# KiCad board servo.kicad_pcb
title: Servo Drive; date: 2020-03-23; rev: 0.2; company: nanocut; note: DCI; note: Pablo Slavkin
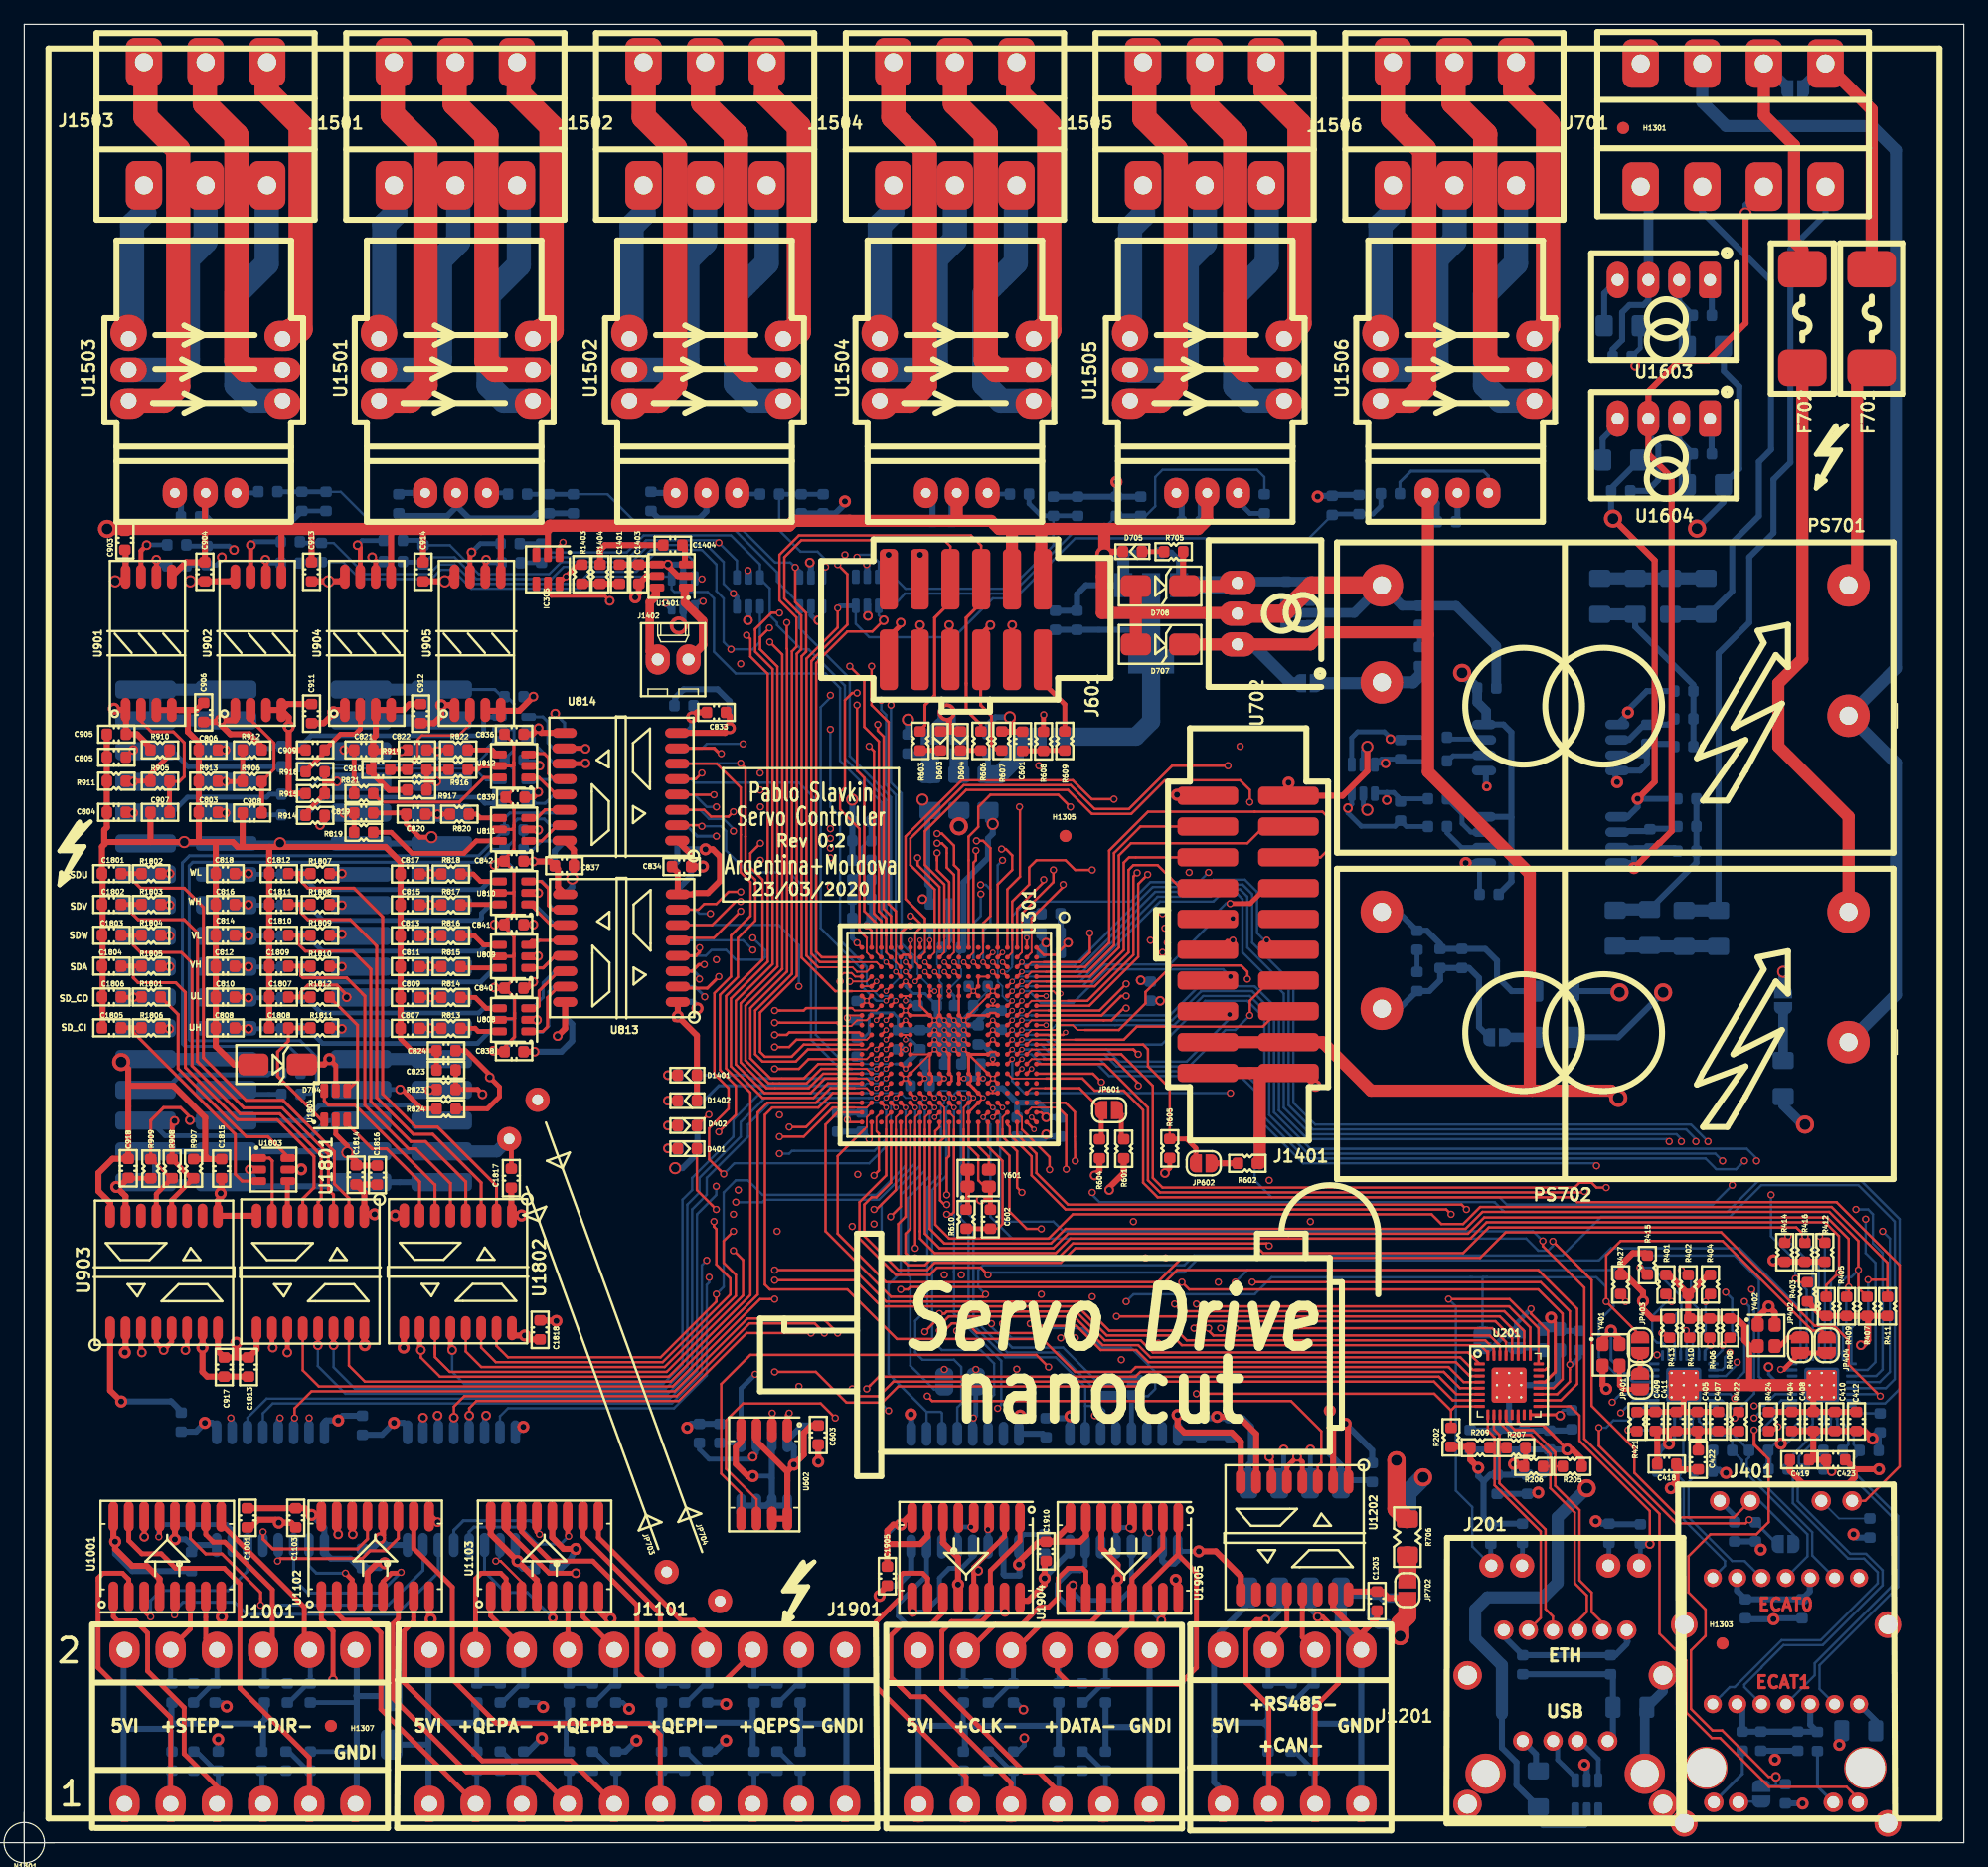
[diagram p0: board, top side]
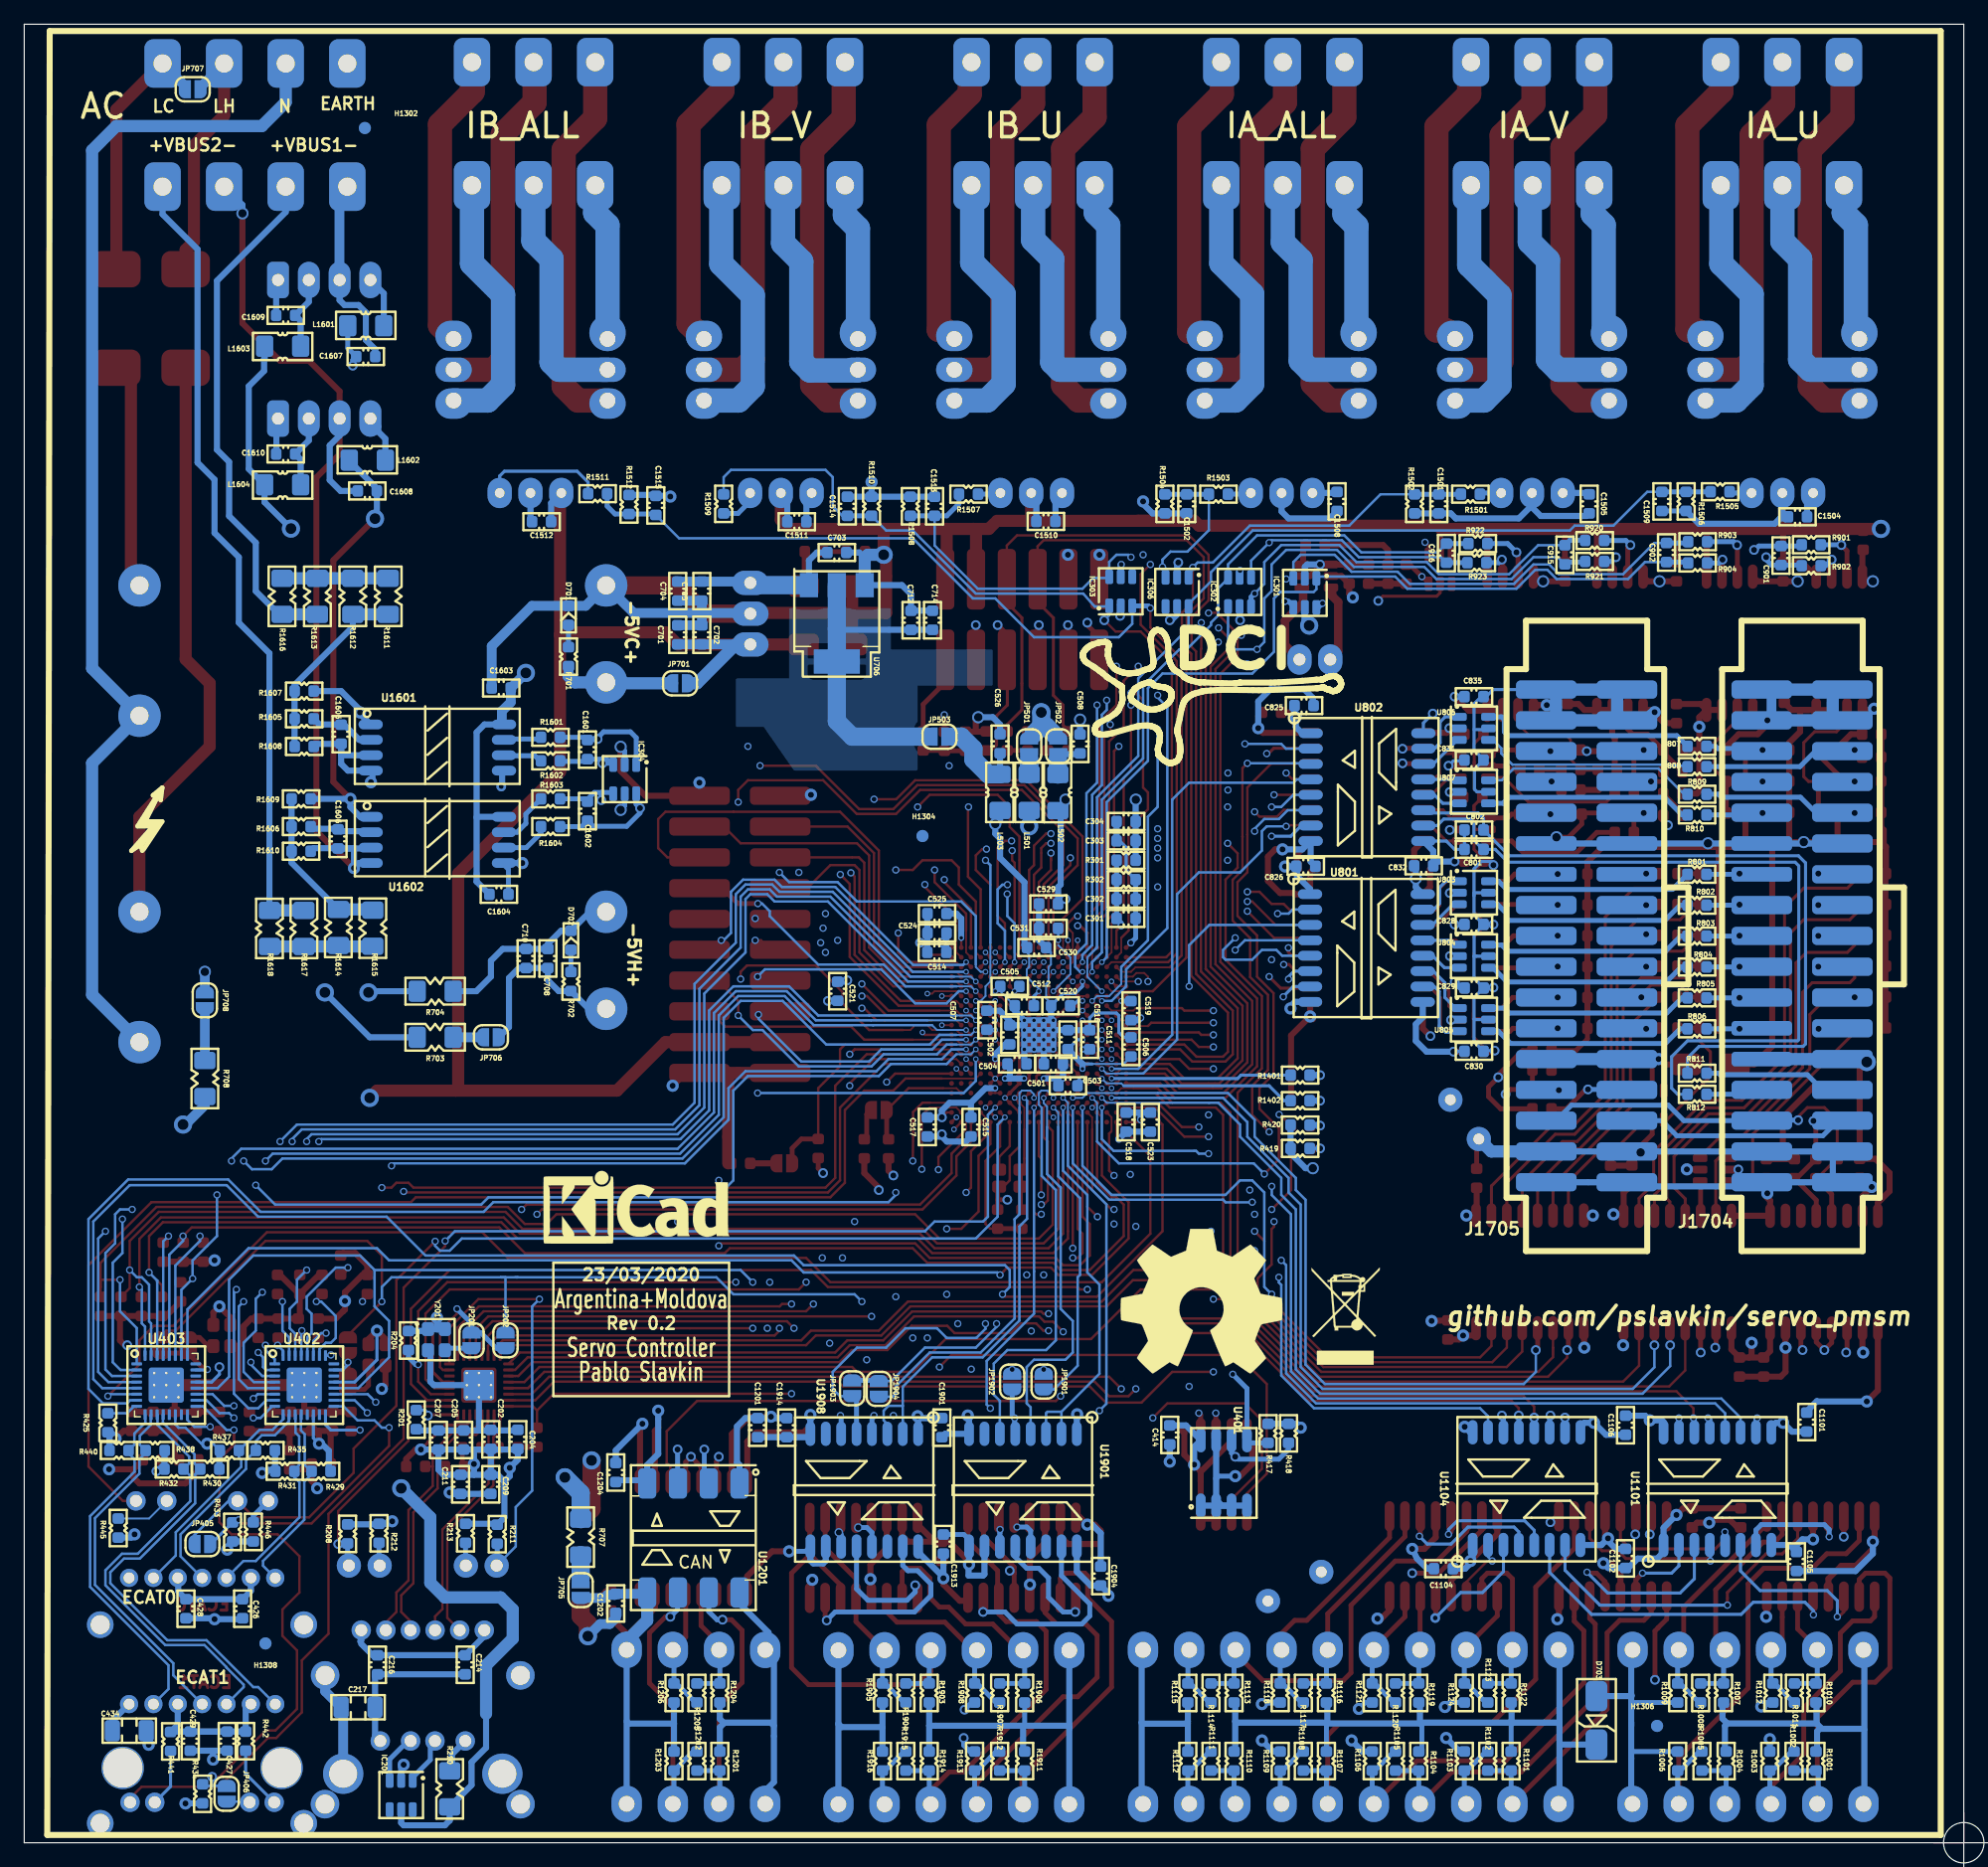
[diagram p1: board, bottom side, seen from below]

Outline 160 x 150 mm; copper layers: Top, GND.Cu (plane), In2.Cu, In3.Cu, Vcc.Cu (plane), Bottom. Coordinates in mm from the lower left corner of the outline.
Outline path: 0,150 160,150 160,0 0,0 0,150

## Placement (name value [footprint] x y rotation side)
C202  0.1uF  [C_0603_1608Metric]  121.51 33.27 270 bottom
C204  10uF  [C_0603_1608Metric]  119.28 33.27 90 bottom
C205  10uF  [C_0603_1608Metric]  123.75 33.22 90 bottom
C207  0.1uF  [C_0603_1608Metric]  125.83 33.22 90 bottom
C209  0.1uF  [C_0603_1608Metric]  121.51 29.57 270 bottom
C211  0.1uF  [C_0603_1608Metric]  124 29.57 270 bottom
C214  1uF  [C_0603_1608Metric]  123.62 14.68 90 bottom
C216  1uF  [C_0603_1608Metric]  130.86 14.68 90 bottom
C217  4n7  [C_1206_3216Metric]  132.46 11.18 0 bottom
C301  10uF  [C_0603_1608Metric]  69.1 76.24 180 bottom
C302  0.1uF  [C_0603_1608Metric]  69.1 77.84 180 bottom
C303  10uF  [C_0603_1608Metric]  69.1 82.64 0 bottom
C304  0.1uF  [C_0603_1608Metric]  69.1 84.24 0 bottom
C404  0.1uF  [C_0603_1608Metric]  145.81 34.76 270 top
C405  0.1uF  [C_0603_1608Metric]  138.03 34.76 90 top
C407  10uF  [C_0603_1608Metric]  139.76 34.76 90 top
C408  10uF  [C_0603_1608Metric]  147.59 34.76 90 top
C409  10uF  [C_0603_1608Metric]  134.56 34.76 90 top
C410  10uF  [C_0603_1608Metric]  149.36 34.76 90 top
C411  0.1uF  [C_0603_1608Metric]  136.29 34.76 90 top
C412  0.1uF  [C_0603_1608Metric]  151.14 34.76 90 top
C414  0.1uF  [C_0603_1608Metric]  65.5 33.64 270 bottom
C418  0.1uF  [C_0603_1608Metric]  135.5 31.24 0 top
C419  0.1uF  [C_0603_1608Metric]  146.44 31.58 180 top
C422  0.1uF  [C_0603_1608Metric]  138.1 31.58 270 top
C423  0.1uF  [C_0603_1608Metric]  149.43 31.58 0 top
C426  1uF  [C_0603_1608Metric]  141.99 19.3 90 bottom
C427  1uF  [C_0603_1608Metric]  143.26 8.38 90 bottom
C428  1uF  [C_0603_1608Metric]  146.66 19.3 90 bottom
C429  1uF  [C_0603_1608Metric]  146.3 8.38 90 bottom
C434  4n7  [C_1206_3216Metric]  151.33 9.25 0 bottom
C501  0.1uF  [C_0603_1608Metric]  75.1 64.24 0 bottom
C502  0.1uF  [C_0603_1608Metric]  78.7 66.64 90 bottom
C503  0.1uF  [C_0603_1608Metric]  73.9 62.44 180 bottom
C504  0.1uF  [C_0603_1608Metric]  78.1 64.24 180 bottom
C505  0.1uF  [C_0603_1608Metric]  78.7 70.64 0 bottom
C506  0.1uF  [C_0603_1608Metric]  68.7 65.64 90 bottom
C507  0.1uF  [C_0603_1608Metric]  80.59 67.85 90 bottom
C508  2.2uF  [C_0603_1608Metric]  72.9 90.64 270 bottom
C511  0.1uF  [C_0603_1608Metric]  72.1 66.24 90 bottom
C512  0.1uF  [C_0603_1608Metric]  77.5 69.04 0 bottom
C514  0.1uF  [C_0603_1608Metric]  84.71 73.44 0 bottom
C515  0.1uF  [C_0603_1608Metric]  81.9 59.04 270 bottom
C516  0.1uF  [C_0603_1608Metric]  73.9 66.24 90 bottom
C517  0.1uF  [C_0603_1608Metric]  85.5 59.04 270 bottom
C518  0.1uF  [C_0603_1608Metric]  69.1 59.44 90 bottom
C519  0.1uF  [C_0603_1608Metric]  68.7 68.64 90 bottom
C520  0.1uF  [C_0603_1608Metric]  74.5 69.04 0 bottom
C521  0.1uF  [C_0603_1608Metric]  92.9 70.24 270 bottom
C523  0.1uF  [C_0603_1608Metric]  67.1 59.44 90 bottom
C524  0.1uF  [C_0603_1608Metric]  84.7 75.04 0 bottom
C525  0.1uF  [C_0603_1608Metric]  84.7 76.64 0 bottom
C526  10uF  [C_0603_1608Metric]  79.5 90.65 270 bottom
C529  2.2uF  [C_0603_1608Metric]  75.5 77.44 180 bottom
C530  10uF  [C_0603_1608Metric]  76.49 73.84 180 bottom
C531  2.2uF  [C_0603_1608Metric]  75.5 75.43 180 bottom
C601  0.1uF  [C_0603_1608Metric]  82.36 90.86 270 top
C602  0.1uF  [C_0603_1608Metric]  79.7 51.44 90 top
C603  0.1uF  [C_0603_1608Metric]  65.5 33.64 90 top
C701  22uF  [C_0603_1608Metric]  106.09 99.64 270 bottom
C702  2.2uF  [C_0603_1608Metric]  104.1 99.64 270 bottom
C703  0.1uF  [C_0603_1608Metric]  92.96 106.43 0 bottom
C704  22uF  [C_0603_1608Metric]  106.09 103.24 90 bottom
C705  2.2uF  [C_0603_1608Metric]  104.1 103.24 90 bottom
C708  22uF  [C_0603_1608Metric]  116.8 72.94 270 bottom
C710  2.2uF  [C_0603_1608Metric]  118.6 72.94 270 bottom
C712  10uF  [C_0603_1608Metric]  86.85 100.84 270 bottom
C714  0.1uF  [C_0603_1608Metric]  85.07 100.84 270 bottom
C801  100pF  [C_0603_1608Metric]  40.4 81.94 180 bottom
C802  100pF  [C_0603_1608Metric]  40.4 83.54 180 bottom
C803  100pF  [C_0603_1608Metric]  15.19 84.99 0 top
C804  100pF  [C_0603_1608Metric]  7.6 84.99 0 top
C805  100pF  [C_0603_1608Metric]  7.6 89.54 0 top
C806  100pF  [C_0603_1608Metric]  15.19 90.14 0 top
C807  100pF  [C_0603_1608Metric]  31.83 67.18 0 top
C808  100pF  [C_0603_1608Metric]  16.59 67.21 0 top
C809  100pF  [C_0603_1608Metric]  31.83 69.72 0 top
C810  100pF  [C_0603_1608Metric]  16.59 69.75 0 top
C811  100pF  [C_0603_1608Metric]  31.83 72.27 0 top
C812  100pF  [C_0603_1608Metric]  16.59 72.3 0 top
C813  100pF  [C_0603_1608Metric]  31.83 74.81 0 top
C814  100pF  [C_0603_1608Metric]  16.59 74.85 0 top
C815  100pF  [C_0603_1608Metric]  31.83 77.36 0 top
C816  100pF  [C_0603_1608Metric]  16.59 77.39 0 top
C817  100pF  [C_0603_1608Metric]  31.83 79.91 0 top
C818  100pF  [C_0603_1608Metric]  16.59 79.94 0 top
C819  100pF  [C_0603_1608Metric]  28 84.94 180 top
C820  100pF  [C_0603_1608Metric]  32.3 84.84 0 top
C821  100pF  [C_0603_1608Metric]  28 90.14 180 top
C822  100pF  [C_0603_1608Metric]  32.4 90.14 0 top
C823  100pF  [C_0603_1608Metric]  34.8 63.74 0 top
C824  100pF  [C_0603_1608Metric]  34.8 65.34 0 top
C825  0.1uF  [C_0603_1608Metric]  54.42 93.8 180 bottom
C826  0.1uF  [C_0603_1608Metric]  54.28 80.54 180 bottom
C828  0.1uF  [C_0603_1608Metric]  40.41 75.75 0 bottom
C829  0.1uF  [C_0603_1608Metric]  40.39 70.51 0 bottom
C830  0.1uF  [C_0603_1608Metric]  40.41 65.28 0 bottom
C831  0.1uF  [C_0603_1608Metric]  40.41 89.3 0 bottom
C832  0.1uF  [C_0603_1608Metric]  44.55 80.58 180 bottom
C833  0.1uF  [C_0603_1608Metric]  57.1 93.24 0 top
C834  0.1uF  [C_0603_1608Metric]  54.23 80.52 180 top
C835  0.1uF  [C_0603_1608Metric]  40.41 94.54 0 bottom
C836  0.1uF  [C_0603_1608Metric]  40.41 91.44 0 top
C837  0.1uF  [C_0603_1608Metric]  44.55 80.59 180 top
C838  0.1uF  [C_0603_1608Metric]  40.41 65.25 0 top
C839  0.1uF  [C_0603_1608Metric]  40.5 86.24 0 top
C840  0.1uF  [C_0603_1608Metric]  40.41 70.49 0 top
C841  0.1uF  [C_0603_1608Metric]  40.41 75.73 0 top
C842  0.1uF  [C_0603_1608Metric]  40.41 80.96 0 top
C901  0.1uF  [C_0603_1608Metric]  15.07 106.18 90 bottom
C902  0.1uF  [C_0603_1608Metric]  24.52 106.43 90 bottom
C903  0.1uF  [C_0603_1608Metric]  8.3 107.44 270 top
C904  0.1uF  [C_0603_1608Metric]  14.9 104.84 270 top
C905  0.1uF  [C_0603_1608Metric]  7.6 91.44 0 top
C906  0.1uF  [C_0603_1608Metric]  14.8 93.24 270 top
C907  0.1uF  [C_0603_1608Metric]  11.2 84.99 0 top
C908  0.1uF  [C_0603_1608Metric]  18.8 84.94 0 top
C909  0.1uF  [C_0603_1608Metric]  24 90.14 0 top
C910  0.1uF  [C_0603_1608Metric]  29.4 88.54 0 top
C911  0.1uF  [C_0603_1608Metric]  23.7 93.14 270 top
C912  0.1uF  [C_0603_1608Metric]  32.7 93.14 270 top
C913  0.1uF  [C_0603_1608Metric]  23.7 104.84 270 top
C914  0.1uF  [C_0603_1608Metric]  32.9 104.84 270 top
C915  0.1uF  [C_0603_1608Metric]  32.9 106.24 90 bottom
C916  0.1uF  [C_0603_1608Metric]  42.68 106.38 90 bottom
C917  0.1uF  [C_0603_1608Metric]  16.5 39.24 270 top
C918  0.1uF  [C_0603_1608Metric]  8.59 55.63 90 top
C1001  0.1uF  [C_0603_1608Metric]  18.4 26.8 90 top
C1101  0.1uF  [C_0603_1608Metric]  12.95 34.7 90 bottom
C1102  0.1uF  [C_0603_1608Metric]  27.9 23.45 270 bottom
C1103  0.1uF  [C_0603_1608Metric]  22.4 26.8 90 top
C1104  0.1uF  [C_0603_1608Metric]  42.93 22.61 180 bottom
C1105  0.1uF  [C_0603_1608Metric]  13.8 23.2 270 bottom
C1106  0.1uF  [C_0603_1608Metric]  27.9 34.44 90 bottom
C1201  0.1uF  [C_0603_1608Metric]  99.5 34.24 90 bottom
C1202  0.1uF  [C_0603_1608Metric]  111.2 19.74 270 bottom
C1203  0.1uF  [C_0603_1608Metric]  111.6 19.94 90 top
C1204  0.1uF  [C_0603_1608Metric]  111.2 30.54 90 bottom
C1401  10nF  [C_0603_1608Metric]  49.1 104.64 270 top
C1403  47Uf  [C_0603_1608Metric]  50.7 104.64 90 top
C1404  10uF  [C_0603_1608Metric]  53.5 107.04 0 top
C1501  1nF  [C_0603_1608Metric]  43.3 110.44 90 bottom
C1502  1nF  [C_0603_1608Metric]  64.1 110.44 90 bottom
C1504  0.1uF  [C_0603_1608Metric]  13.72 109.37 180 bottom
C1505  0.1uF  [C_0603_1608Metric]  30.9 110.44 90 bottom
C1508  0.1uF  [C_0603_1608Metric]  51.7 110.64 90 bottom
C1509  1nF  [C_0603_1608Metric]  24.9 110.64 90 bottom
C1510  0.1uF  [C_0603_1608Metric]  75.72 108.99 180 bottom
C1511  0.1uF  [C_0603_1608Metric]  96.27 108.97 180 bottom
C1512  0.1uF  [C_0603_1608Metric]  117.32 108.97 180 bottom
C1513  1nF  [C_0603_1608Metric]  84.9 110.24 270 bottom
C1514  1nF  [C_0603_1608Metric]  92.1 110.24 270 bottom
C1515  1nF  [C_0603_1608Metric]  107.9 110.31 270 bottom
C1601  0.1uF  [C_0603_1608Metric]  113.54 90.17 90 bottom
C1602  0.1uF  [C_0603_1608Metric]  113.54 85.09 90 bottom
C1603  0.1uF  [C_0603_1608Metric]  120.65 95.25 180 bottom
C1604  0.1uF  [C_0603_1608Metric]  120.84 78.23 0 bottom
C1605  1nF  [C_0603_1608Metric]  133.86 91.44 90 bottom
C1606  1nF  [C_0603_1608Metric]  134.11 82.8 90 bottom
C1607  0.1uF  [C_0603_1608Metric]  131.83 122.59 0 bottom
C1608  0.1uF  [C_0603_1608Metric]  131.7 111.51 180 bottom
C1609  0.1uF  [C_0603_1608Metric]  138.43 125.98 180 bottom
C1610  0.1uF  [C_0603_1608Metric]  138.43 114.55 180 bottom
C1801  10pF  [C_0603_1608Metric]  7.2 79.94 180 top
C1802  10pF  [C_0603_1608Metric]  7.2 77.4 180 top
C1803  10pF  [C_0603_1608Metric]  7.2 74.85 180 top
C1804  10pF  [C_0603_1608Metric]  7.2 72.31 180 top
C1805  10pF  [C_0603_1608Metric]  7.2 67.22 180 top
C1806  10pF  [C_0603_1608Metric]  7.2 69.76 180 top
C1807  10pF  [C_0603_1608Metric]  21 69.75 180 top
C1808  10pF  [C_0603_1608Metric]  21 67.21 180 top
C1809  10pF  [C_0603_1608Metric]  21 72.3 180 top
C1810  10pF  [C_0603_1608Metric]  21 74.85 180 top
C1811  10pF  [C_0603_1608Metric]  21 77.39 180 top
C1812  10pF  [C_0603_1608Metric]  21 79.94 180 top
C1813  0.1uF  [C_0603_1608Metric]  18.5 39.24 90 top
C1814  0.1uF  [C_0603_1608Metric]  27.38 55.09 90 top
C1815  0.1uF  [C_0603_1608Metric]  16.28 55.6 270 top
C1816  0.1uF  [C_0603_1608Metric]  29.13 55.07 90 top
C1817  0.1uF  [C_0603_1608Metric]  40.18 54.81 90 top
C1818  0.1uF  [C_0603_1608Metric]  42.56 42.3 90 top
C1901  0.1uF  [C_0603_1608Metric]  84.3 34.24 90 bottom
C1904  0.1uF  [C_0603_1608Metric]  71.2 22 270 bottom
C1905  0.1uF  [C_0603_1608Metric]  71.2 22 270 top
C1910  0.1uF  [C_0603_1608Metric]  84.3 24.04 270 top
C1913  0.1uF  [C_0603_1608Metric]  84.18 24.64 270 bottom
C1914  0.1uF  [C_0603_1608Metric]  97.1 34.24 90 bottom
D401  green@2mA  [LED_0603_1608Metric]  54.71 57.25 180 top
D402  red@2mA  [LED_0603_1608Metric]  54.71 59.15 180 top
D603  blue@5mA  [LED_0603_1608Metric]  75.59 90.89 90 top
D604  blue@5mA  [LED_0603_1608Metric]  77.23 90.89 90 top
D701  red@2mA  [LED_0603_1608Metric]  115.1 101.24 270 bottom
D702  yellow@2mA  [LED_0603_1608Metric]  114.9 74.44 270 bottom
D703  zener 5v1  [D_SMA]  30.3 10.1 90 bottom
D704  zener 5v1  [D_SMA]  20.9 64.2 180 top
D705  green@2mA  [LED_0603_1608Metric]  91.42 106.5 0 top
D707  zener 5v1  [D_SMA]  93.7 98.84 180 top
D708  zener 3v6  [D_SMA]  93.7 103.66 180 top
D1401  yellow@2mA  [LED_0603_1608Metric]  54.71 63.32 0 top
D1402  red@2mA  [LED_0603_1608Metric]  54.71 61.21 0 top
F701  Fuse  [fuse_3912]  152.4 125.73 90 top
F702  Fuse  [fuse_3912]  146.69 125.73 90 top
H1301  fiducials  [Fiducial_1mm_Dia_2.54mm_Outer_CopperTop]  131.9 141.44 0 top
H1302  fiducials  [Fiducial_1mm_Dia_2.54mm_Outer_CopperTop]  131.9 141.44 0 bottom
H1303  fiducials  [Fiducial_1mm_Dia_2.54mm_Outer_CopperTop]  140.1 16.44 0 top
H1304  fiducials  [Fiducial_1mm_Dia_2.54mm_Outer_CopperTop]  85.9 83.04 0 bottom
H1305  fiducials  [Fiducial_1mm_Dia_2.54mm_Outer_CopperTop]  85.9 83.04 0 top
H1306  fiducials  [Fiducial_1mm_Dia_2.54mm_Outer_CopperTop]  25.3 9.64 0 bottom
H1307  fiducials  [Fiducial_1mm_Dia_2.54mm_Outer_CopperTop]  25.3 9.64 0 top
H1308  fiducials  [Fiducial_1mm_Dia_2.54mm_Outer_CopperTop]  140.1 16.44 0 bottom
H1309  Slot  [slot]  10.2 48.54 0 top
H1310  Slot  [slot]  18.8 45.54 0 top
H1311  Slot  [slot]  27.4 48.54 0 top
H1312  Slot  [slot]  36.6 45.54 0 top
H1313  Slot  [slot]  93.8 31.34 0 top
H1314  Slot  [slot]  10.8 31.34 0 top
H1315  Slot  [slot]  20 29.34 0 top
H1316  Slot  [slot]  147.5 63.04 0 top
H1317  Slot  [slot]  29.2 31.34 0 top
H1318  Slot  [slot]  126.1 96.44 270 top
H1319  Slot  [slot]  18.6 100.74 0 top
H1320  Slot  [slot]  126.1 78.04 90 top
H1321  Slot  [slot]  127.5 121.84 90 top
H1322  Slot  [slot]  51 70.74 90 top
H1323  Slot  [slot]  68.8 24.74 65 top
H1324  Slot  [slot]  47.7 80.04 90 top
H1325  Slot  [slot]  126.1 87.24 270 top
H1326  Slot  [slot]  38 29.34 180 top
H1327  Slot  [slot]  56.4 23.34 150 top
H1328  Slot  [slot]  130.7 64.24 0 top
H1329  Slot  [slot]  51 88.74 270 top
H1330  Slot  [slot]  45.2 48.94 0 top
H1331  Slot  [slot]  45.8 62.74 75 top
H1332  Slot  [slot]  10.2 97.14 0 top
H1333  Slot  [slot]  43.8 95.14 320 top
H1334  Slot  [slot]  77 31.34 0 top
H1335  Slot  [slot]  35.4 100.74 0 top
H1336  Slot  [slot]  26.6 97.34 0 top
H1337  Slot  [slot]  86.2 29.14 0 top
H1338  Slot  [slot]  105 27.34 180 top
H1339  Slot  [slot]  112.6 25.14 0 top
H1340  Slot  [slot]  98.9 26.04 315 top
H1341  Slot  [slot]  117.2 20.54 90 top
H1342  Slot  [slot]  115.2 11.94 90 top
H1343  Slot  [slot]  126.1 68.84 90 top
H1344  Slot  [slot]  116.6 5.54 55 top
H1345  Slot  [slot_v]  112 115.5 0 top
H1346  Slot  [slot_v]  103.8 115.5 0 top
H1347  Slot  [slot_v]  91.2 115.5 0 top
H1348  Slot  [slot_v]  124.6 115.5 0 top
H1349  Slot  [slot_v]  62.6 115.5 0 top
H1350  Slot  [slot_v]  83.4 115.5 0 top
H1351  Slot  [slot_v]  70.4 115.5 0 top
H1352  Slot  [slot_v]  50 115.5 0 top
H1353  Slot  [slot_v]  42.1 115.5 0 top
H1354  Slot  [slot_v]  21.3 115.5 0 top
H1355  Slot  [slot_v]  8.6 115.5 0 top
H1356  Slot  [slot_v]  29.1 115.5 0 top
H1357  Slot  [slot]  153 104.14 90 top
H1358  Slot  [slot]  153 76.74 270 top
IC201  TPD4E001QDBV  [SOT-23-6]  128.91 3.94 270 bottom
IC301  TPD4E001QDBV  [SOT-23-6]  54.36 103.1 270 bottom
IC302  TPD4E001QDBV  [SOT-23-6]  59.74 103.17 90 bottom
IC303  TPD4E001QDBV  [SOT-23-6]  69.55 103.23 90 bottom
IC304  TPD4E001QDBV  [SOT-23-6]  110.46 87.73 270 bottom
IC305  TPD4E001QDBV  [SOT-23-6]  43.2 105.04 270 top
IC306  TPD4E001QDBV  [SOT-23-6]  64.9 103.17 270 bottom
J201  RJ45 USB  [BEL_0821-1X1T-36-F]  127.12 8.4 0 top
J401  RJ45x2  [rj45x2_0845-2G1T-H5]  145.32 6.18 0 top
J601  pin header 2x6 2.54  [idc2x06_smd]  77.67 100.9 90 top
J701  tblock 2x4 5.08  [tblock02x04]  140.97 146.76 180 top
J1001  tblock 2x6 3.81  [tblock02x6_3.81]  17.8 3.21 0 top
J1101  tblock 2x10 3.81  [tblock02x10_3.81]  50.57 3.21 0 top
J1201  tblock 2x4 3.81  [tblock02x4_3.81]  104.59 3.21 0 top
J1401  idc2x10  [idc2x10_smd]  100.97 74.93 0 top
J1402  header 1x2 2.54 molex  [Molex_KK-254_AE-6410-02A_1x02_P2.54mm_Vertical]  54.8 97.6 180 top
J1501  tblock 2x3 5.08  [tblock02x03]  35.57 146.87 180 top
J1502  tblock 2x3 5.08  [tblock02x03]  56.17 146.87 180 top
J1503  tblock 2x3 5.08  [tblock02x03]  14.96 146.87 180 top
J1504  tblock 2x3 5.08  [tblock02x03]  76.77 146.87 180 top
J1505  tblock 2x3 5.08  [tblock02x03]  97.38 146.87 180 top
J1506  tblock 2x3 5.08  [tblock02x03]  117.98 146.87 180 top
J1704  idc2x17  [idc2x17_smd#2]  13.33 74.8 0 bottom
J1705  idc2x17  [idc2x17_smd]  31.11 74.8 0 bottom
J1901  tblock 2x6 3.81  [tblock02x6_3.81]  83.31 3.18 0 top
JP201  jumper  [SolderJumper-2_P1.3mm_Open_RoundedPad1.0x1.5mm]  123.1 41.44 270 bottom
JP202  jumper  [SolderJumper-2_P1.3mm_Open_RoundedPad1.0x1.5mm]  120.3 41.44 270 bottom
JP401  jumper  [SolderJumper-2_P1.3mm_Open_RoundedPad1.0x1.5mm]  133.3 38.04 270 top
JP402  jumper  [SolderJumper-2_P1.3mm_Open_RoundedPad1.0x1.5mm]  146.5 41.04 90 top
JP403  jumper  [SolderJumper-2_P1.3mm_Open_RoundedPad1.0x1.5mm]  133.3 41.04 270 top
JP404  jumper  [SolderJumper-2_P1.3mm_Open_RoundedPad1.0x1.5mm]  148.7 41.04 270 top
JP405  jumper  [SolderJumper-2_P1.3mm_Open_RoundedPad1.0x1.5mm]  145.3 24.64 180 bottom
JP406  jumper  [SolderJumper-2_P1.3mm_Open_RoundedPad1.0x1.5mm]  143.3 4.04 90 bottom
JP501  jumper  [SolderJumper-2_P1.3mm_Open_RoundedPad1.0x1.5mm]  77.1 90.44 270 bottom
JP502  jumper  [SolderJumper-2_P1.3mm_Open_RoundedPad1.0x1.5mm]  74.7 90.44 270 bottom
JP503  jumper  [SolderJumper-2_P1.3mm_Open_RoundedPad1.0x1.5mm]  84.5 91.24 180 bottom
JP601  jumper  [SolderJumper-2_P1.3mm_Open_RoundedPad1.0x1.5mm]  89.5 60.44 0 top
JP602  jumper  [SolderJumper-2_P1.3mm_Open_RoundedPad1.0x1.5mm]  97.3 56.04 0 top
JP701  jumper  [SolderJumper-2_P1.3mm_Open_RoundedPad1.0x1.5mm]  105.9 95.64 180 bottom
JP702  jumper  [SolderJumper-2_P1.3mm_Open_RoundedPad1.0x1.5mm]  114.1 20.84 270 top
JP703  jumper  [wire_bridge_38mm]  53 22.34 110 top
JP704  jumper  [wire_bridge_44mm]  57.4 19.94 110 top
JP705  jumper  [SolderJumper-2_P1.3mm_Open_RoundedPad1.0x1.5mm]  114.1 20.84 270 bottom
JP706  jumper  [SolderJumper-2_P1.3mm_Open_RoundedPad1.0x1.5mm]  121.5 66.44 0 bottom
JP707  jumper  [SolderJumper-2_P1.3mm_Open_RoundedPad1.0x1.5mm]  146.1 144.64 180 bottom
JP708  jumper  [SolderJumper-2_P1.3mm_Open_RoundedPad1.0x1.5mm]  145.1 69.49 270 bottom
JP1901  jumper  [SolderJumper-2_P1.3mm_Open_RoundedPad1.0x1.5mm]  75.9 38.04 270 bottom
JP1902  jumper  [SolderJumper-2_P1.3mm_Open_RoundedPad1.0x1.5mm]  78.5 38.04 90 bottom
JP1903  jumper  [SolderJumper-2_P1.3mm_Open_RoundedPad1.0x1.5mm]  91.7 37.49 270 bottom
JP1904  jumper  [SolderJumper-2_P1.3mm_Open_RoundedPad1.0x1.5mm]  89.5 37.44 90 bottom
L501  50 ohm@100Mhz  [L_1206_3216Metric_Pad1.42x1.75mm_HandSolder]  77.1 86.64 270 bottom
L502  50 ohm@100Mhz  [L_1206_3216Metric_Pad1.42x1.75mm_HandSolder]  74.73 86.62 270 bottom
L503  120 ohm@100mHz  [L_1206_3216Metric_Pad1.42x1.75mm_HandSolder]  79.5 86.64 270 bottom
L1401  NHD-4.3-480272FT-CTXL-T  [lcd]  100.9 75.04 0 top
L1601  50 ohm@100Mhz  [L_1206_3216Metric_Pad1.42x1.75mm_HandSolder]  131.83 125.13 0 bottom
L1602  50 ohm@100Mhz  [L_1206_3216Metric_Pad1.42x1.75mm_HandSolder]  131.7 114.05 0 bottom